# Altium PCB 28pins_Antariksh_unoR3_V1I1_PCB.PcbDoc (part 2 of 2)
Units mm, origin at the board's own origin, x right, y up, seen from the top; angles counter-clockwise.
Board outline 68.58 x 53.34 mm, 2 copper layers (L1, L2), stack 1.671 mm thick; 106 components, 71 nets, 323 pads, 81 vias.
Unrouted connection lines stored in the file: 1.
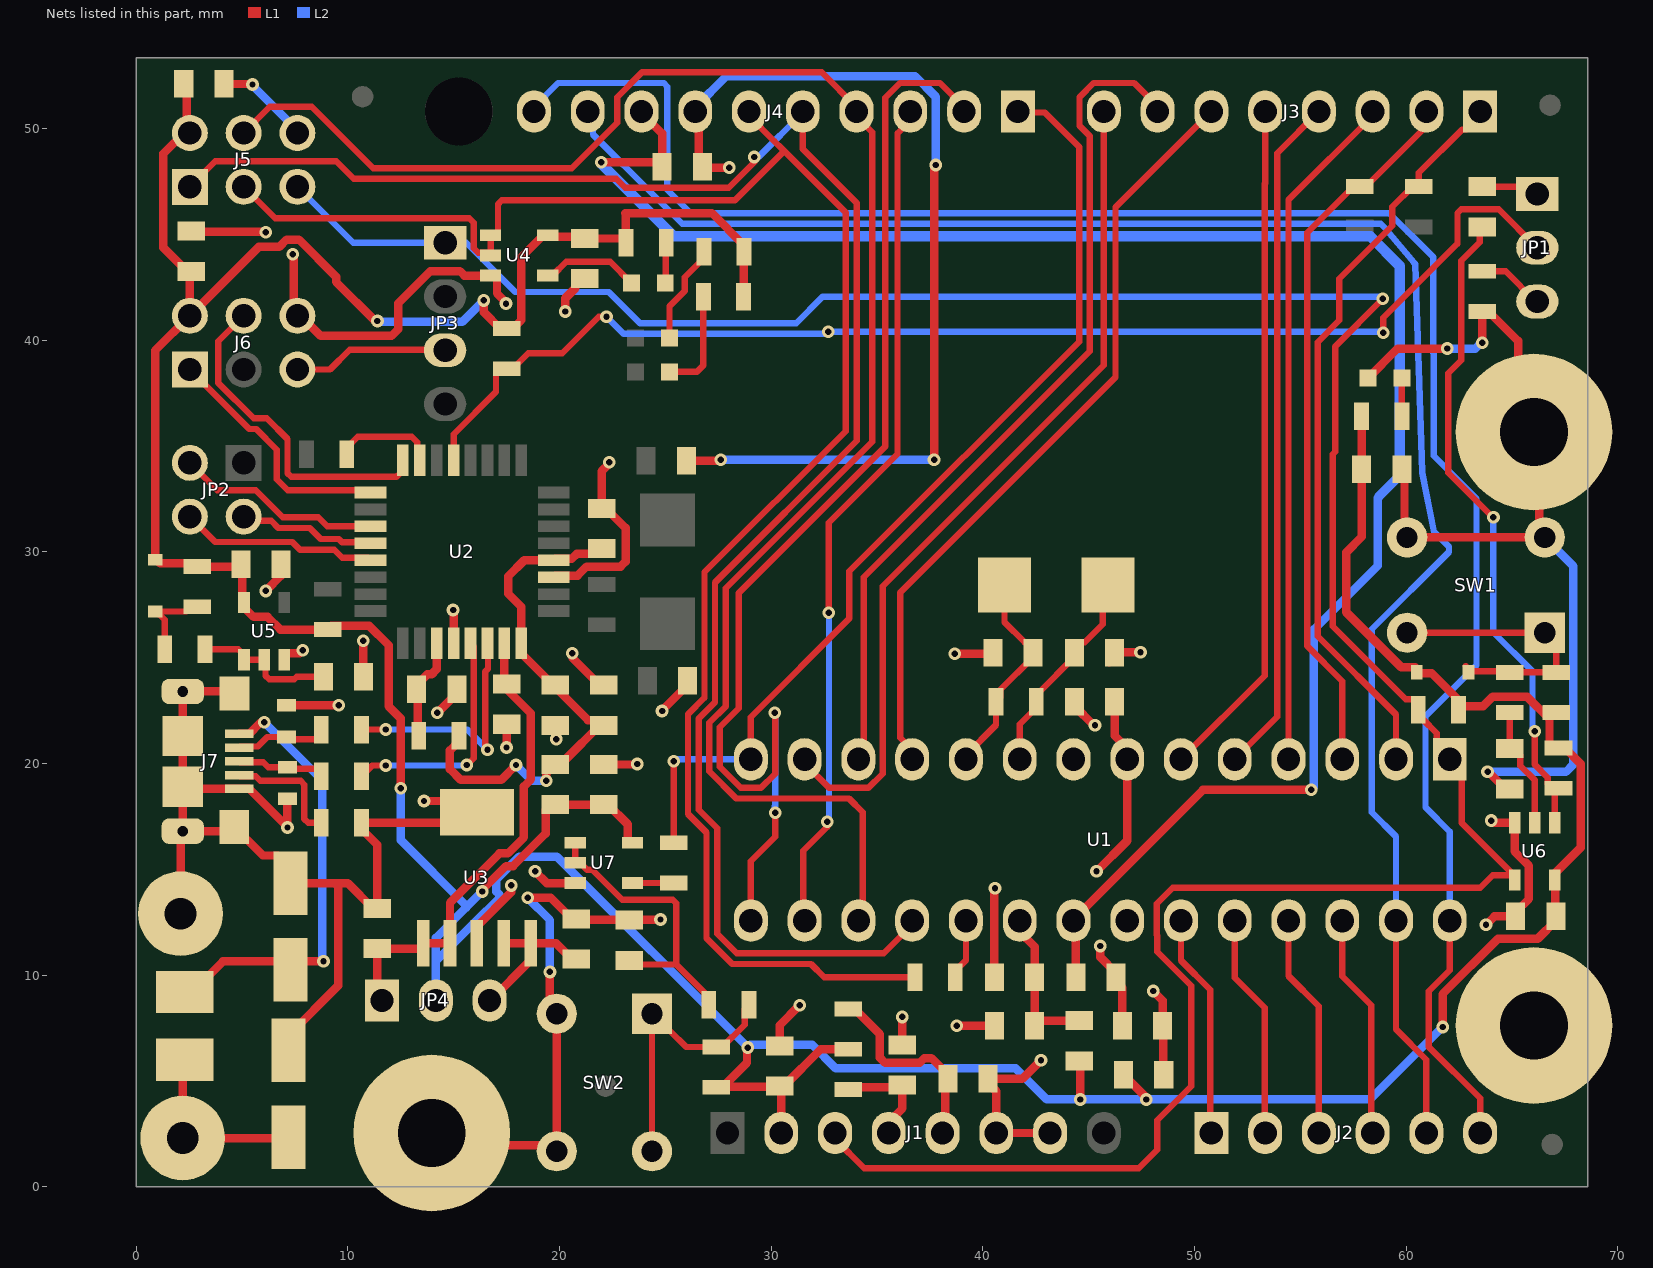
[diagram p2: the nets of this part, all layers, seen from the top]

## Via types
v1: diameter 0.6, hole 0.3, L1 to L2, 81 vias

## Nets (pads, with @x,y where several pads share a name; then routed paths per layer and width w, separated by ;. In a path a pad name is that pad's centre, name@x,y a point inside that pad or via, vN(x,y) a via of type N, cw(c..) or ccw(c..) an arc to the next point about the centre after c; other vN are vias at no path point) (continued)
16U2_BUF_RESET: C31.2 R23.2 U5.1 U5.2 | length 6.8
  L1 w0.3: R23.2@3.25,25.4 4.825,25.4 5.1,25.125 U5.1@5.1,24.9 U5.2@6.05,24.9 6.112,24.838 6.112,24.151 6.288,23.975 7.465,23.975 7.59,24.1 C31.2@8.85,24.1
16U2_HDR_RESETn: J6.5 JP3.3 | length 7.4
  L1 w0.3: J6.5@7.62,38.608 9.158,38.608 10.1,39.55 14.57,39.55 JP3.3@14.6,39.52
16U2_MISO: J6.1 U2.17 | length 11.8
  L1 w0.3: J6.1@2.54,38.608 5.348,35.8 5.675,35.8 6.65,34.825 6.65,33.419 7.169,32.9 10.973,32.9 U2.17@11.073,32.8
16U2_MOSI: J6.4 U2.16 | length 15.8
  L1 w0.3: J6.4@5.08,41.148 3.88,39.948 3.88,37.975 5.555,36.3 6.175,36.3 7.15,35.325 7.15,33.714 7.326,33.538 12.299,33.538 12.475,33.714 12.475,34.202 U2.16@12.6,34.327
16U2_PB5: JP2.3 U2.19 | length 9.8
  L1 w0.3: JP2.3@2.54,34.2 3.84,32.9 5.655,32.9 6.929,31.626 8.606,31.626 9.032,31.2 U2.19@11.073,31.2
16U2_PB6: JP2.2 U2.20 | length 6.5
  L1 w0.3: JP2.2@5.08,31.66 5.272,31.468 6.38,31.468 6.722,31.126 8.199,31.126 8.725,30.6 9.576,30.6 9.726,30.45 11.023,30.45 U2.20@11.073,30.4
16U2_PB7: JP2.4 U2.21 | length 9.4
  L1 w0.3: JP2.4@2.54,31.66 3.74,30.46 7.385,30.46 7.745,30.1 9.369,30.1 9.744,29.725 10.948,29.725 U2.21@11.073,29.6
16U2_SCLK_R: R5.1 U2.15 | length 4.8
  L1 w0.3: R5.1@9.95,34.6 9.95,34.9 10.477,35.427 13.02,35.427 13.275,35.172 13.275,34.452 U2.15@13.4,34.327
"16U2PROG 328P RESETn": JP1.2 R1.1 U2.13 | length 60.1
  L1 w0.3: U2.13@15,34.327 15,35.554 17,37.554 17,38.45 17.2,38.65 17.8,38.65 18.531,39.381 20.134,39.381 21.853,41.1 v1(22.225,41.1) ; v1(58.925,40.35) 58.925,41.056 62.425,44.556 62.425,45.999 62.601,46.175 64.37,46.175 66.185,44.36 JP1.2@66.2,44.36
  L2 w0.3: v1(22.225,41.1) 23.025,40.3 32.6,40.3 v1(32.7,40.4) 58.875,40.4 v1(58.925,40.35)
"328P 16MHz XTAL1": C27.2 R16.1 U1.9 Y1.1 | length 10
  L1 w0.3: U1.9@41.745,20.193 41.745,21.845 42.525,22.625 R16.1@42.525,22.925 42.525,23.225 C27.2@44.425,25.125 ; C27.2@44.325,25.225 44.325,25.425 44.625,25.725 44.825,25.725 45.675,26.575 45.675,28.175 Y1.1@45.925,28.425
"328P 16MHz XTAL2": C25.2 R16.2 U1.10 Y1.2 | length 10.2
  L1 w0.3: U1.10@39.205,20.193 39.205,20.393 40.625,21.813 R16.2@40.625,22.925 40.825,23.125 40.825,23.475 42.375,25.025 C25.2@42.375,25.225 42.375,25.425 42.075,25.725 41.975,25.725 41.025,26.675 Y1.2@41.025,28.425
"328P AUTORESETn": C11.2 R18.1 U6.1 | length 31.1
  L1 w0.3: C11.2@63.6,45.35 63.481,45.231 63.481,44.626 62.6,43.745 62.6,39.045 61.99,38.435 61.99,33.735 64.1,31.625 v1(64.125,31.625) ; v1(66.075,21.525) 66.075,19.95 66.7,19.325 66.7,19.025 66.9,18.825 R18.1@67.2,18.825 ; U6.1@67.025,17.275 67.025,18.875 R18.1@67.1,18.95
  L2 w0.3: v1(64.125,31.625) 64.125,26.205 65.975,24.355 v1@65.975,21.65
"328P RESETn": J1.3 J5.5 JP3.1 R14.1 U1.1 U6.4 | length 133.1
  L1 w0.3: J1.3@33.02,2.54 33.02,2.255 34.4,0.875 47.375,0.875 48.25,1.75 48.25,3.15 49.85,4.75 49.85,9.5 48.25,11.1 48.25,11.862 48.215,11.897 48.215,13.365 48.975,14.125 63.5,14.125 64.1,14.725 64.897,14.725 U6.4@65,14.725 ; v1(58.9,41.95) 56.65,39.7 56.65,34.725 56.535,34.61 56.535,26.479 59.976,23.038 60.375,23.038 60.575,22.838 60.575,22.3 60.775,22.1 61.455,21.42 61.455,20.803 62.637,19.621 62.637,17.188 U6.4@64.975,14.85
  L2 w0.3: J5.5@7.62,47.244 10.264,44.6 JP3.1@14.6,44.6 15.594,44.6 17.919,42.275 22.331,42.275 23.806,40.8 31.181,40.8 32.431,42.05 58.8,42.05 v1(58.9,41.95)
328P_BUF_RESET: C32.2 R24.2 U6.2 | length 5.7
  L1 w0.3: R24.2@64.9,22.4 C32.2@64.9,20.7 65.1,20.7 65.4,20.4 65.4,19.895 66.075,19.22 U6.2@66.075,17.275
+3V3: C13.2 C16.2 J1.4 JP4.3 R28.2 U3.4 U3.5 | length 12.4
  L1 w0.4: JP4.3@16.7,8.8 16.74,8.8 18.64,10.7 U3.5@18.64,11.5 ; U3.4@17.37,11.5 U3.5@18.64,11.5 ; C13.2@20.8,10.75 20.6,10.75 19.85,11.5 U3.5@18.64,11.5 ; R28.2@33.65,4.6 33.75,4.7 36.1,4.7 C16.2@36.2,4.8 36.2,3.705 35.56,3.065 J1.4@35.56,2.54
"+3V3 16U2_UCAP": C7.2 R26.1 U2.27 | length 4.9
  L1 w0.4: R26.1@13.35,21.3 13.3,21.35 13.3,23.45 C7.2@13.25,23.5 13.25,23.7 13.766,24.216 13.966,24.216 14.2,24.45 U2.27@14.2,25.673
+5V: C2.1 C6.2 C12.2 C14.2 J1.5 J8.1 JP4.1 L1.2 R27.1 U2.31 U3.1 U3.2 | length 41.1
  L1 w0.4: L1.2@2.3,6 2.2,5.9 J8.1@2.2,2.3 7.15,2.3 C2.1@7.2,2.35 ; JP4.1@11.62,8.8 11.4,9.02 C12.2@11.4,11.25 13.46,11.25 13.56,11.35 U3.1@13.56,11.5 U3.2@14.83,11.5 14.83,13.42 17.16,15.75 17.566,15.75 18.325,16.509 18.325,18.918 18.65,19.243 18.65,22.366 17.4,23.616 U2.31@17.4,25.673 ; R27.1@33.65,8.4 33.95,8.4 35.142,7.208 35.142,6.092 35.384,5.85 37.016,5.85 37.242,6.076 37.574,6.076 38.35,5.3 C14.2@38.35,5.1 38.225,4.975 38.225,2.665 J1.5@38.1,2.54
"+5V USB": C1.1 J7.1 L1.1 | length 21
  L1 w0.4: L1.1@2.3,9.2 2.65,9.2 4.1,10.65 v1(8.85,10.65) ; J7.1@4.875,21.4 5.35,21.4 5.861,21.912 6.011,21.912 v1(6.05,21.95)
  L2 w0.4: v1(6.05,21.95) 8.8,19.2 8.8,10.7 v1(8.85,10.65)
+5V/3V3: C8.2 C15.2 C18.2 C26.2 C28.2 C29.2 C30.2 C34.2 D5.1 D6.1 FB1.1 FB2.1 FB3.1 J1.2 J5.2 J6.2 JP4.2 R1.2 R2.2 R3.2 R4.2 R14.2 R15.2 R17.2 R18.2 R19.2 R20.2 R21.2 R27.2 R28.1 U4.5 U5.5 U6.5 U7.5 | length 220.4
  L1 w0.4: C18.2@2.25,52.1 2.395,51.955 2.395,49.929 J5.2@2.54,49.784 ; J5.2@2.258,49.784 1.29,48.816 1.29,44.36 2.4,43.25 C8.2@2.6,43.25 2.54,43.19 J6.2@2.54,41.148 ; v1(11.4,40.9) 11.3,40.9 9.45,42.75 9.45,42.99 7.69,44.75 7.11,44.75 6.76,44.4 5.792,44.4 J6.2@2.54,41.148 ; v1(12.5,18.825) 12.5,22.125 11.925,22.7 11.925,25.59 11.015,26.5 9.225,26.5 R4.2@9.05,26.325 6.814,26.325 6.214,26.925 5.55,26.925 5.1,27.375 U5.5@5.1,27.6 5.025,27.675 5.025,29.325 C30.2@4.95,29.4 4.85,29.3 R19.2@2.9,29.3 2.75,29.45 1.133,29.45 0.964,29.619 D5.1@0.9,29.619 0.9,39.508 J6.2@2.54,41.148 ; v1(16.35,13.95) 16.388,13.988 16.388,14.062 17.476,15.15 17.814,15.15 19.35,16.686 19.35,17.8 19.6,18.05 C29.2@22.1,18.05 22.3,18.05 23.225,17.125 23.225,16.325 23.3,16.25 U7.5@23.45,16.25 ; v1(16.425,41.875) 16.425,41.325 R1.2@17.2,40.55 ; R1.2@17.8,40.55 18.2,40.95 18.2,43.925 19.225,44.95 U4.5@19.45,44.95 19.525,44.875 21.125,44.875 C26.2@21.2,44.8 23,44.8 R15.2@23.125,44.675 ; R15.2@23.15,44.6 23.15,44.65 R15.2@23.125,44.675 ; R3.2@28.7,42.05 28.713,42.062 28.713,44.162 R2.2@28.725,44.175 28.725,44.475 27.2,46 23.1,46 23.125,45.975 R15.2@23.125,44.675 ; v1(28.9,6.575) 28.862,6.537 28.862,5.862 R21.2@27.725,4.725 ; J1.2@30.48,2.54 30.48,4.67 C15.2@30.4,4.75 ; R28.1@33.65,6.5 32.35,6.5 30.6,4.75 C15.2@30.4,4.75 ; FB3.1@44.55,5.95 44.6,5.9 v1(44.6,4.125) ; FB2.1@46.65,5.3 47.725,4.225 v1(47.725,4.125) ; R17.2@57.9,36.4 C34.2@57.9,33.9 57.9,30.699 57.175,29.974 57.175,27.141 59.773,24.543 60.426,24.543 60.506,24.463 60.506,24.336 60.585,24.257 61.218,24.257 62.475,23 62.475,22.7 63.634,22.7 64.084,23.15 65.716,23.15 66.775,22.091 66.775,20.875 66.925,20.725 67.5,20.725 68.25,19.975 68.25,16.025 67.025,14.8 67.025,14.575 67.05,14.55 67.05,12.8 C28.2@67.075,12.775 67.075,12.575 66.22,11.72 64.342,11.72 61.725,9.103 v1(61.725,7.55) ; R21.2@27.725,4.725 30.375,4.725 C15.2@30.4,4.75 ; R21.2@27.725,4.725 27.425,4.725 R21.2@27.4,4.7 27.7,4.7 R21.2@27.725,4.725
  L2 w0.4: v1(11.4,40.9) 11.44,40.86 15.41,40.86 v1(16.425,41.875) ; v1(12.5,18.825) 12.5,16.375 15.587,13.287 15.587,13.187 ; JP4.2@14.16,8.8 14.16,11.76 15.587,13.187 ; 14.16,10.66 16.509,13.009 16.541,13.009 17.15,13.619 17.15,13.823 17.025,13.948 17.025,14.527 18.098,15.6 19.875,15.6 v1(28.9,6.575) ; v1(16.35,13.95) 15.587,13.187 ; v1@29.025,6.7 31.95,6.7 33.05,5.6 41.55,5.6 43.025,4.125 v1(44.6,4.125) v1(47.725,4.125) 58.3,4.125 v1(61.725,7.55)
"+5V/3V3 16U2": C3.2 C4.2 C5.2 FB1.2 R26.2 U2.4 U2.32 | length 25.3
  L1 w0.4: R26.2@15.25,21.3 15.25,21 15.1,20.85 15.059,20.85 14.825,20.616 14.825,19.735 15.335,19.225 17.25,19.225 v1(17.95,19.925) ; v1(19.375,19.175) 19.375,19.55 19.775,19.95 FB1.2@19.8,19.95 20.05,20.2 20.3,20.2 21.9,21.8 C3.2@22.1,21.8 21.85,22.05 21.348,22.05 19.698,23.7 18.2,25.198 18.2,27.398 17.575,28.023 17.575,28.84 18.335,29.6 U2.4@19.727,29.6 19.802,29.675 20.593,29.675 20.818,29.9 21.75,29.9 C5.2@22,30.15
  L2 w0.4: v1(17.95,19.925) 18.7,19.175 v1(19.375,19.175)
"+5V/3V3 328P_AVCC": C22.2 C23.2 FB3.2 U1.20 | length 7.5
  L1 w0.4: U1.20@41.745,12.573 41.745,12.048 42.45,11.343 C23.2@42.45,9.9 C22.2@42.45,7.6 42.7,7.85 FB3.2@44.55,7.85
"+5V/3V3 328P_VCC": C19.2 C20.2 FB2.2 U1.7 | length 13.1
  L1 w0.4: v1(45.375,14.9) 46.825,16.35 U1.7@46.825,20.193 46.825,20.718 46.225,21.318 C20.2@46.225,22.925 ; v1(48.05,9.25) 48.5,8.8 C19.2@48.5,7.6 48.525,7.575 48.525,5.325 FB2.2@48.55,5.3
  L2 w0.4: v1@48.025,9.275 v1(48.05,9.25)
+AREF: C21.2 C24.2 J4.8 U1.21 | length 88.7
  L1 w0.4: v1(21.975,48.4) 24.65,48.4 C21.2@24.85,48.2 24.85,49.762 23.876,50.736 J4.8@23.876,50.8 ; U1.21@44.285,12.573 44.285,12.635 50.4,18.75 v1(55.525,18.75) ; C24.2@44.4,9.9 U1.21@44.4,12.573
  L2 w0.4: v1(55.525,18.75) 55.645,18.87 55.645,26.33 58.65,29.335 58.65,32.55 58.7,32.6
  L2 w0.45: 58.7,32.6 59.7,33.6
  L2 w0.5: v1(21.975,48.4) 21.975,48.373 22.025,48.323 22.025,48.279 25.404,44.9 58.3,44.9 59.7,43.5 59.7,33.6
AD0: J2.1 U1.23 | length 10.6
  L1 w0.3: U1.23@49.365,12.573 49.365,10.692 50.75,9.307 50.75,2.59 J2.1@50.8,2.54
AD1: J2.2 U1.24 | length 10.6
  L1 w0.3: U1.24@51.905,12.573 51.905,9.87 53.325,8.45 53.325,2.555 J2.2@53.34,2.54
AD2: J2.3 U1.25 | length 10.6
  L1 w0.3: U1.25@54.445,12.573 54.445,9.955 55.88,8.52 J2.3@55.88,2.54
AD3: J2.4 U1.26 | length 10.6
  L1 w0.3: U1.26@56.985,12.573 56.985,9.94 58.35,8.575 58.35,2.61 J2.4@58.42,2.54
AD4/SDA: J2.5 J4.9 U1.27 | length 86.8
  L1 w0.3: U1.27@59.525,12.573 59.525,7.443 60.96,6.008 J2.5@60.96,2.54
  L2 w0.3: J4.9@21.336,50.8 21.3,50.764 21.3,50 J4.9@21.584,50 ; J4.9@21.585,49.999 21.585,49.715 24.5,46.8 25.8,45.5 58.8,45.5 58.976,45.324 60.369,43.667 60.436,43.587 60.755,33.754 60.76,33.73 61.324,30.936 62.024,30.236 62.024,29.987 58.375,26.338 58.375,17.696 59.525,16.546 U1.27@59.525,12.573
AD5/SCL: J2.6 J4.10 U1.28 | length 94.5
  L1 w0.3: U1.28@62.065,12.573 62.065,10.221 61.075,9.231 61.075,6.6 63.5,4.175 J2.6@63.5,2.54
  L2 w0.3: J4.10@18.796,50.8 18.796,51 19.946,52.15 24.924,52.15 25.1,51.974 25.1,47.1 26.2,46 59.2,46 61.275,43.925 61.275,39.4 61.3,39.375 61.3,34.532 63.325,32.507 63.325,24.645 60.915,22.235 60.915,17.931 62.065,16.781 U1.28@62.065,12.573
"BUTTON RESETn": D6.2 R20.1 R24.1 SW1.1 SW1.2 | length 12.8
  L1 w0.3: SW1.2@60.05,26.175 SW1.1@66.55,26.175 67.1,25.625 R20.1@67.1,24.3 R24.1@64.9,24.3 64.85,24.35 62.994,24.35 D6.2@62.944,24.4 ; D6.2@62.819,24.6 D6.2@62.832,24.587
CON_USB_N: J7.2 R6.1 Z1.2 | length 4.4
  L1 w0.3: J7.2@4.875,20.75 4.925,20.8 5.75,20.8 6.2,21.25 Z1.2@7.1,21.25 ; Z1.2@7.1,21.15 8.55,21.15 8.75,21.35 R6.1@8.75,21.6
CON_USB_P: J7.3 R7.1 Z2.2 | length 4.2
  L1 w0.3: J7.3@4.875,20.1 4.912,20.063 6,20.063 6.237,19.825 Z2.2@7.15,19.825 ; Z2.2@7.15,19.75 8.55,19.75 8.75,19.55 R7.1@8.75,19.4
GND: C1.2 C2.2 C3.1 C4.1 C5.1 C6.1 C7.1 C8.1 C9.1 C10.1 C12.1 C13.1 C14.1 C15.1 C16.1 C18.1 C19.1 C20.1 C21.1 C22.1 C23.1 C24.1 C25.1 C26.1 C27.1 C28.1 C29.1 C30.1 C31.1 C32.1 C33.1 C34.1 D1.1 J1.6 J1.7 J4.7 J5.6 J6.6 J7.5 J7.6 J7.7 J7.8 J7.9 J7.10 J7.11 J9.1 MH1.1 MH2.1 MH3.1 R8.2 R12.1 SW1.3 SW1.4 SW2.3 SW2.4 U1.8 U1.22 U2.3 U2.28 U3.3 U3.6 U4.3 U5.3 U6.3 U7.3 Z1.1 Z2.1 | length 264.4
  L1 w0.4: J9.1@2.1,12.9 2.1,16.7 J7.9@2.2,16.8 ; C8.1@2.6,45.15 2.625,45.125 6.1,45.125 v1(6.125,45.1) ; C18.1@4.15,52.1 5.475,52.1 v1(5.5,52.075) ; J7.6@4.65,23.3 4.549,23.4 J7.8@2.2,23.4 J7.10@2.2,21.3 J7.11@2.2,18.9 ; v1(6.125,28.15) 6.85,28.875 C30.1@6.85,29.4 ; U5.3@7,24.9 7,25.125 7.075,25.2 7.725,25.2 v1(7.875,25.35) ; Z1.1@7.1,22.75 v1(9.575,22.75) ; v1(7.15,16.975) v1@7.15,16.999 ; Z2.1@7.15,18.325 v1@7.15,16.999 ; C2.2@7.2,6.45 7.2,7.15 9.55,9.5 9.55,14.175 9.5,14.225 ; v1(7.4,44.05) 7.438,44.012 7.438,41.33 J6.6@7.62,41.148 7.775,41.148 8.723,40.2 12.066,40.2 12.375,40.509 12.375,41.732 13.903,43.26 15.297,43.26 15.507,43.05 U4.3@16.75,43.05 16.975,43.05 17.05,42.975 17.05,42.204 17.475,41.779 v1(17.475,41.725) ; v1(10.725,25.8) 10.737,25.787 10.737,24.112 C31.1@10.75,24.1 ; v1(13.6,18.225) 15.575,18.225 U3.6@16.1,17.7 15.6,17.2 R8.2@10.65,17.2 10.65,16.9 11.4,16.15 C12.1@11.4,13.15 11.2,13.15 10,14.35 C1.2@7.3,14.35 7.3,15.05 6.7,15.65 5.987,15.65 5.237,16.4 5.137,16.4 4.637,16.9 J7.7@4.637,17 4.437,16.8 J7.9@2.2,16.8 ; MH1.1@13.97,2.54 14.548,1.962 19.588,1.962 SW2.4@19.875,1.675 SW2.3@19.875,8.175 19.55,8.5 v1(19.55,10.15) ; v1(14.225,22.4) 14.25,22.4 15.15,23.3 C7.1@15.15,23.5 ; v1(14.975,27.25) 15,27.225 U2.28@15,25.673 ; U3.3@16.1,11.5 16.1,12.3 17.725,13.925 v1(17.725,14.238) ; v1(17.5,20.75) C6.1@17.5,21.85 ; v1(18.5,13.65) 19.6,13.65 20.6,12.65 C13.1@20.8,12.65 20.825,12.625 23.3,12.625 23.313,12.612 24.763,12.612 v1(24.775,12.625) ; v1(18.85,14.9) 19.4,14.35 U7.3@20.75,14.35 ; U2.3@19.727,28.8 19.802,28.875 20.859,28.875 21.284,29.3 22.891,29.3 23.125,29.534 23.125,31.125 22.2,32.05 C5.1@22,32.05 22,33.812 22.359,34.171 v1(22.359,34.225) ; C4.1@19.8,21.8 19.85,21.75 v1(19.85,21.15) ; v1(20.275,41.35) 20.275,41.975 20.75,42.45 20.75,42.65 21,42.9 C26.1@21.2,42.9 ; v1(20.6,25.2) 20.638,25.162 20.638,24.962 21.9,23.7 C3.1@22.1,23.7 ; C29.1@22.1,19.95 23.65,19.95 v1(23.675,19.975) ; v1(24.85,22.475) 24.85,22.5 26.05,23.7 C10.1@26.05,23.9 ; C9.1@26,34.3 27.575,34.3 v1(27.625,34.35) ; J4.7@26.416,50.8 26.583,50.633 26.583,48.367 C21.1@26.75,48.2 26.8,48.15 27.933,48.15 27.975,48.192 27.975,48.2 v1(28.025,48.15) ; C15.1@30.4,6.65 30.4,7.625 v1(31.35,8.575) ; C16.1@36.2,6.7 v1(36.2,8.025) ; v1(37.7,34.35) 37.7,48.2 v1(37.775,48.275) ; v1@38.725,25.225 v1(38.675,25.175) 40.425,25.175 C25.1@40.475,25.225 C25.1@40.475,25.425 ; v1(38.775,7.6) C22.1@40.55,7.6 ; C23.1@40.55,9.9 40.55,11.808 40.545,11.813 40.545,14.07 v1(40.575,14.1) ; v1(42.75,5.975) 41.875,5.1 C14.1@40.25,5.1 40.25,4.9 40.64,4.51 J1.6@40.64,2.54 J1.7@43.18,2.54 ; C20.1@44.325,23.125 C20.1@44.325,22.925 44.325,22.725 45.25,21.8 v1(45.3,21.8) ; v1(45.55,11.375) 45.55,10.85 46.3,10.1 C24.1@46.3,9.9 46.3,9.7 46.6,9.4 C19.1@46.6,7.6 ; C27.1@45.975,24.775 45.975,24.975 C27.1@46.225,25.225 46.25,25.25 47.4,25.25 47.425,25.225 v1(47.45,25.25) ; D1.1@58.2,38.2 59.6,39.6 v1(61.95,39.6) ; C34.1@59.8,33.9 59.925,33.775 59.925,30.8 SW1.4@60.05,30.675 SW1.3@66.55,30.675 66.295,30.93 66.295,35.405 MH3.1@66.04,35.66 65.29,36.41 65.29,39.96 63.9,41.35 R12.1@63.6,41.35 v1(63.6,39.875) ; v1(63.775,12.375) 64.175,12.775 C28.1@65.175,12.775 65.175,12.975 65.8,13.6 65.8,15.166 65.125,15.841 U6.3@65.125,17.2 64.125,17.2 v1(64.025,17.3) ; v1(63.85,19.6) 63.9,19.6 64.7,18.8 C32.1@64.9,18.8 ; J7.9@2.2,16.8 J7.11@2.2,18.9 ; J7.11@2.2,18.9 2.3,18.8 J7.5@4.875,18.8 5.35,18.8 v1@7.15,16.999
  L2 w0.4: v1(5.5,52.075) 5.5,52.021 7.62,49.901 J5.6@7.62,49.784 ; J6.6@7.62,41.148 J6.6@7.62,41.251 ; v1(18.5,13.65) 19.55,12.6 v1(19.55,10.15) ; J4.7@26.416,50.8 26.416,51 27.891,52.475 36.798,52.475 37.776,51.497 v1(37.775,48.275) v1(37.775,48.275) ; v1(27.625,34.35) v1(37.7,34.35) ; v1(61.95,39.6) 63.271,39.6 63.546,39.875 v1(63.6,39.875) ; v1(63.85,19.6) 67.55,19.6 67.9,19.95 67.9,29.325 SW1.3@66.55,30.675
IO0: J3.1 R10.2 U1.2 | length 35.6
  L1 w0.3: U1.2@59.525,20.193 59.525,22.312 55.825,26.012 55.825,39.906 56.85,40.931 56.85,42.905 58.548,44.603 59.347,45.403 59.347,46.297 60.3,47.25 R10.2@60.6,47.25 60.6,47.9 62.65,49.95 62.85,49.95 63.5,50.6 J3.1@63.5,50.8
IO1: J3.2 R11.2 U1.3 | length 34
  L1 w0.3: U1.3@56.985,20.193 56.985,23.89 55.325,25.55 55.325,45.075 57.5,47.25 58.1,47.25 60.711,49.861 60.711,50.551 J3.2@60.96,50.8
IO2: J3.3 U1.4 | length 32.3
  L1 w0.3: U1.4@54.445,20.193 54.445,46.625 58.42,50.6 J3.3@58.42,50.8
IO3: J3.4 U1.5 | length 32.3
  L1 w0.3: U1.5@51.905,20.193 53.91,22.198 53.91,48.83 J3.4@55.88,50.8
IO4: J3.5 U1.6 | length 32.3
  L1 w0.3: U1.6@49.365,20.193 53.322,24.15 53.322,47.397 53.34,47.415 J3.5@53.34,50.8
IO5: J3.6 U1.11 | length 36.9
  L1 w0.3: U1.11@36.665,20.193 36.665,20.654 36.1,21.219 36.1,28.075 46.269,38.244 46.269,46.269 J3.6@50.8,50.8
IO6: J3.7 U1.12 | length 40.7
  L1 w0.3: U1.12@34.125,20.193 34.374,20.442 34.374,21.217 34.375,21.219 34.375,28.8 45.05,39.475 45.05,49.644 44.57,50.124 44.57,51.476 45.244,52.15 47.143,52.15 48.26,51.033 J3.7@48.26,50.8
IO7: J3.8 U1.13 | length 40.3
  L1 w0.3: U1.13@31.585,20.193 31.585,19.993 32.735,18.843 34.601,18.843 35.275,19.517 35.275,28.375 45.72,38.82 J3.8@45.72,50.8
IO8: J4.1 R22.2 U1.14 | length 46.5
  L1 w0.3: R22.2@25.4,16.25 v1(25.4,20.1) ; U1.14@29.045,20.193 29.045,22.189 33.7,26.844 33.7,29.075 44.55,39.925 44.55,49.125 42.925,50.75 41.706,50.75 J4.1@41.656,50.8
  L2 w0.3: v1(25.4,20.1) 25.493,20.193 U1.14@29.045,20.193
IO9: J4.2 U1.15 | length 56.1
  L1 w0.3: U1.15@29.045,12.573 29.045,15.38 30.2,16.535 v1(30.2,17.675) ; v1(30.175,22.4) 30.195,22.38 30.195,19.517 29.521,18.843 28.569,18.843 27.575,19.837 27.575,21.709 28.475,22.609 28.475,28.05 35.4,34.975 35.4,51.45 36.1,52.15 37.966,52.15 39.116,51 J4.2@39.116,50.8
  L2 w0.3: v1(30.175,22.4) 30.195,22.38 30.195,17.995 30.175,17.975 30.175,17.7 v1(30.2,17.675)
MISO: J4.5 J5.1 U1.18 | length 85.4
  L1 w0.3: J5.1@2.54,47.244 3.746,48.45 9.45,48.45 10.275,47.625 22.681,47.625 23.106,47.2 27.994,47.2 29.2,48.406 v1(29.2,48.65) ; J4.5@31.496,50.8 31.496,49.029 34.05,46.475 34.05,35.25 27.35,28.55 27.35,22.898 26.575,22.123 26.575,17.817 27.45,16.942 27.45,11.951 28.376,11.025 35.317,11.025 36.665,12.373 U1.18@36.665,12.573
  L2 w0.3: v1(29.2,48.65) 29.406,48.65 31.496,50.74 J4.5@31.496,50.8
MOSI: J4.4 J5.4 U1.17 | length 82.1
  L1 w0.3: J5.4@5.08,49.784 6.321,51.025 8.3,51.025 11.2,48.125 20.575,48.125 22.726,50.276 22.726,51.476 23.9,52.65 32.386,52.65 34.036,51 34.036,50.559 34.775,49.82 34.775,48 34.775,35.2 27.85,28.275 27.85,22.691 27.075,21.916 27.075,19.63 28.362,18.343 33.682,18.343 34.325,17.7 34.325,12.773 U1.17@34.125,12.573
NetC11_1: C11.1 JP1.1 | length 2.7
  L1 w0.3: C11.1@63.6,47.25 65.85,47.25 JP1.1@66.2,46.9
NetD1_2: D1.2 R17.1 | length 1.8
  L1 w0.3: R17.1@59.8,36.4 D1.2@59.8,38.2
NetD2_1: D2.1 U4.4 | length 4.6
  L1 w0.3: U4.4@19.45,43.05 19.675,43.05 20.325,43.7 22.4,43.7 D2.1@23.4,42.7
NetD2_2: D2.2 R15.1 | length 1.9
  L1 w0.3: D2.2@25,42.7 25.025,42.725 25.025,44.575 R15.1@25.05,44.6
NetD3_2: D3.2 R2.1 | length 4.7
  L1 w0.3: D3.2@25.2,40.1 25.2,41.605 25.913,42.318 25.913,42.962 26.825,43.875 R2.1@26.825,44.175
NetD4_2: D4.2 R3.1 | length 5
  L1 w0.3: D4.2@25.2,38.5 26.499,38.5 26.8,38.801 R3.1@26.8,42.05
NetD5_2: D5.2 R19.1 R23.1 | length 4
  L1 w0.3: D5.2@0.9,27.181 D5.2@0.964,27.181 ; R23.1@1.35,25.4 1.35,26.794 D5.2@0.964,27.181 ; R19.1@2.9,27.4 2.6,27.4 2.381,27.181 D5.2@0.964,27.181
NetJ7_4: J7.4 R8.1 | length 5.8
  L1 w0.3: J7.4@4.875,19.45 4.925,19.4 5.644,19.4 5.869,19.175 7.774,19.175 7.95,18.999 7.95,17.376 8.126,17.2 R8.1@8.75,17.2
NetJP1_3: JP1.3 R12.2 | length 3.2
  L1 w0.3: R12.2@63.6,43.25 64.7,43.25 66.13,41.82 JP1.3@66.2,41.82
NetR22_1: R22.1 U7.4 | length 2
  L1 w0.3: U7.4@23.45,14.35 R22.1@25.4,14.35
SCK: J4.6 J5.3 R13.2 U4.1 U4.2 | length 85.8
  L1 w0.3: J5.3@5.08,47.244 6.574,45.75 15.745,45.75 15.95,45.545 15.95,44.339 16.164,44.125 16.625,44.125 U4.2@16.75,44 16.75,44.125 U4.1@16.75,44.95 16.975,44.95 17.1,45.075 17.1,46.424 17.276,46.6 28.294,46.6 30.625,48.931 ; J4.6@28.956,50.6 30.153,49.403 30.501,49.055 30.625,48.931 ; R13.2@36.8,9.9 32.512,9.9 31.888,10.525 28.169,10.525 26.95,11.744 26.95,16.735 26.075,17.61 26.075,22.33 26.85,23.105 26.85,29.024 33.525,35.699 33.525,43.25 33.525,46.031 30.625,48.931
SCK_R: R13.1 U1.19 | length 2.9
  L1 w0.3: R13.1@38.7,9.9 38.7,10.2 39.205,10.705 U1.19@39.205,12.573
SS: J4.3 U1.16 | length 40.4
  L1 w0.3: U1.16@31.585,12.573 31.525,12.633 31.525,15.875 32.65,17 v1(32.65,17.25) ; v1(32.725,27.125) 32.725,31.375 35.975,34.625 35.975,49.774 36.576,50.375 J4.3@36.576,50.8
  L2 w0.3: v1(32.65,17.25) 32.735,17.335 32.735,27.115 v1(32.725,27.125)
USB_N: R6.2 U2.30 | length 11.5
  L1 w0.3: R6.2@10.65,21.6 v1(11.8,21.6) ; v1(16.6,20.65) 16.5,20.75 16.5,24.345 16.625,24.47 16.625,25.648 U2.30@16.6,25.673
  L2 w0.3: v1(11.8,21.6) 15.65,21.6 v1(16.6,20.65)
USB_P: R7.2 U2.29 | length 11.1
  L1 w0.3: R7.2@10.65,19.4 11.15,19.9 v1(11.8,19.9) ; v1(15.625,19.925) 15.95,20.25 15.95,25.523 U2.29@15.8,25.673
  L2 w0.3: v1(11.8,19.9) 15.6,19.9 v1(15.625,19.925)
"USER BUTTON": R21.1 R25.1 SW2.1 SW2.2 | length 13
  L1 w0.3: SW2.2@24.375,1.675 SW2.1@24.375,8.175 25.175,7.375 25.214,7.375 25.989,6.6 27.7,6.6 28.75,7.65 28.75,8.4 R25.1@28.95,8.6
"USER BUTTON_BUF": C33.2 R25.2 U7.1 U7.2 | length 14.2
  L1 w0.3: U7.1@20.75,16.25 U7.2@20.75,15.3 20.975,15.3 21.3,14.975 21.555,14.975 22.968,13.562 25.349,13.562 25.525,13.386 25.525,10.503 ; C33.2@23.3,10.7 23.497,10.503 25.525,10.503 ; R25.2@27.05,8.6 26.85,8.8 26.85,9.178 25.525,10.503
pads on no net: FID1.1 FID2.1 FID3.1 FID4.1 J1.1 J1.8 MH4.1 U2.5 U2.6 U2.7 U2.12 U2.14 U2.22 U2.23 U2.25 U2.26

## Polygon pours and split planes (outlines as drawn)
+5V/3V3 on L2 "+5V/3V3_L02_P025" (solid, remove dead copper, pour order 25): 0.4,5.8 6.5,5.8 10.7,10 12.5,10 12.5,7.8 12.6,7.7 15.3,7.7 15.3,11.4 16,12.1 21.4,12.1 23.3,10.2 23.3,6.5 23.6,6.2 32.1,6.2 33.2,5.1 35.6,5.1 36.7,4 39.4,4 39.4,0.4 39.5,0.3 62.7,0.3 62.3,5.1 33.864,5.523 23.8,13.2 17.2,13.2 17.2,13.9 16,15.1 15.9,15 12.5,15 9.5,12 9.6,11.9 9.6,10 8.1,10 8.1,12.2 7.1,13.2 7.1,15.5 5.3,17.3 5.3,29.8 16.9,41.4 16.8,41.5 16.8,42.5 10.5,42.5 9.7,43.3 6.5,43.3 6.5,43.5 3.6,46.4 3.6,50.9 0.8,50.9 0.4,50.5
GND on L2 "GND_L02_P029" (solid, remove dead copper, pour order 29): 0.425,51.125 0.475,51.075 3.75,51.075 3.75,45.452 3.515,45.217 3.551,45.181 3.551,44.664 3.721,44.664 6.724,41.661 6.611,41.548 6.611,40.723 7.23,40.103 7.287,40.159 8.037,40.159 8.037,40.178 8.713,40.854 8.544,41.023 8.544,41.642 8.488,41.642 7.962,42.168 7.212,42.168 7.212,42.224 6.085,43.35 6.235,43.5 9.933,43.5 9.933,43.35 10.665,42.618 16.915,42.618 16.915,41.53 17.028,41.417 5.597,29.987 5.597,16.961 6.517,16.041 8.3,16.041 8.3,12.175 8.356,12.118 8.657,12.419 9.689,12.419 12.467,15.197 16.296,15.197 16.296,14.502 17.516,13.282 17.553,13.32 24.141,13.32 24.141,12.55 24.592,12.1 25.024,12.1 25.23,12.306 25.568,11.968 26.394,11.968 29.584,8.777 30.204,8.777 32.212,6.769 32.719,6.769 33.639,5.849 41.916,5.849 42.535,5.23 62.562,5.23 62.562,0.519 62.787,0.294 68.343,0.294 68.343,14.108 68.211,14.24 63.125,14.24 63.125,11.255 63.069,11.199 62.975,11.293 58.527,11.293 58.527,15.253 58.846,15.572 63.388,15.572 63.388,15.816 64.589,17.017 64.439,17.168 64.439,20.114 63.2,20.114 61.286,18.2 53.29,18.2 53.29,25.989 53.177,26.102 56.837,29.762 57.926,29.762 57.926,33.178 58.846,34.097 58.846,39.5 56.888,39.5 56.368,36.575 45.82,36.594 45.801,36.575 26.337,36.575 20.462,42.45 16.99,42.45 16.99,40.986 17.008,41.004 17.008,42.394 18.266,42.394 18.172,42.3 18.172,40.873 18.172,42.386 17.008,42.301 17.008,45.791 10.383,45.791 8.694,47.48 8.694,52.904 8.619,52.98 0.454,52.98 0.454,51.14 0.425,51.075 0.375,51.075
"+5V USB" on L2 "+5V_USB_L02_P030" (solid, remove dead copper, pour order 30): 5.522,22.501 5.522,17.271 7.322,15.46 7.322,13.248 8.322,12.242 8.322,10.13 9.377,10.13 9.221,16.969 7.222,22.501
+3V3 on L2 "+3V3_L02_P027" (solid, remove dead copper, pour order 27): 15.6,7.8 19.6,3.8 34.5,3.8 34.6,3.7 34.6,1.4 36.7,1.4 36.7,3.7 35.4,5 33.1,5 32.1,6 23.5,6 23.1,6.4 23.1,10.1 21.1,12.1 15.6,12.1
GND on L2 "GND_L02_P031" (solid, remove dead copper, pour order 31): 68.225,52.85 68.225,52.775 68.225,46.924 25.553,47.744 25.553,52.915 67.786,53.089 68.225,53.089
no net on L2 "NONET_L02_P034" (solid, remove dead copper, pour order 34): 70.5,51.35
"+5V/3V3 328P_VCC" on L2 "+5V/3V3_328P_VCC_L02_P026" (solid, remove dead copper, pour order 26): 44.923,15.328 44.923,14.515 45.5,14.2 46.227,13.69 47.617,13.69 47.617,8.874 47.718,8.773 48.501,8.773 48.501,15.328 48.482,15.347 48.464,15.328
"16U2 PB4" on L2 "16U2_PB4_L02_P024" (solid, remove dead copper, pour order 24): 10.484,37.848 10.216,38.116 9.906,38.48 8.652,37.226 8.641,37.237 7.508,37.237 5.578,35.307 4.04,35.307 4.04,33.149 6.21,33.149 6.21,34.773 6.145,34.839 7.824,36.518 9.018,36.518 10.511,38.011 10.32,38.011 9.884,38.447
no net on L2 "NONET_L02_P035" (solid, remove dead copper, pour order 35): 48,8.6
+5V/3V3 on L2 "+5V/3V3_L02_P032" (solid, remove dead copper, pour order 32): 0.4,5.8
+3V3 on L2 "+3V3_L02_P028" (solid, remove dead copper, pour order 28): 14.5,9.7
+5V on L2 "+5V_L02_P033" (solid, remove dead copper, pour order 33): 5.2,-1.2
+5V on L2 "+5V_L02_P023" (solid, remove dead copper, pour order 23): 0.3,0.3 0.3,5.5 6.5,5.5 10.8,9.8 12.4,9.8 12.4,7.5 18.9,7.5 22,4.4 24.4,4.4 24.5,4.3 26.6,4.3 26.6,1.2 37,1.2 37,3.9 39.2,3.9 39.2,0.3

## Text inside footprints (layer, text, board x,y; h text height)
J1: Top Overlay "1" at 28.375,0.327 h1 r90
J2: Top Overlay "1" at 51.235,0.327 h1 r90
J3: Top Overlay "1" at 63.065,53.013 h1 r270
J4: Top Overlay "1" at 41.221,53.013 h1 r270
J5: Top Overlay "1" at 0.627,46.927 h0.76
J6: Top Overlay "1" at 3.048,36.703 h0.76 r90
JP1: Top Overlay "1" at 67.9,46.4 h1
JP2: Top Overlay "1" at 4.572,36.105 h0.76 r270
JP3: Top Overlay "1" at 12.387,44.165 h1
JP4: Top Overlay "1" at 12.055,6.587 h1 r90